# KiCad board processed.kicad_pcb (continued)
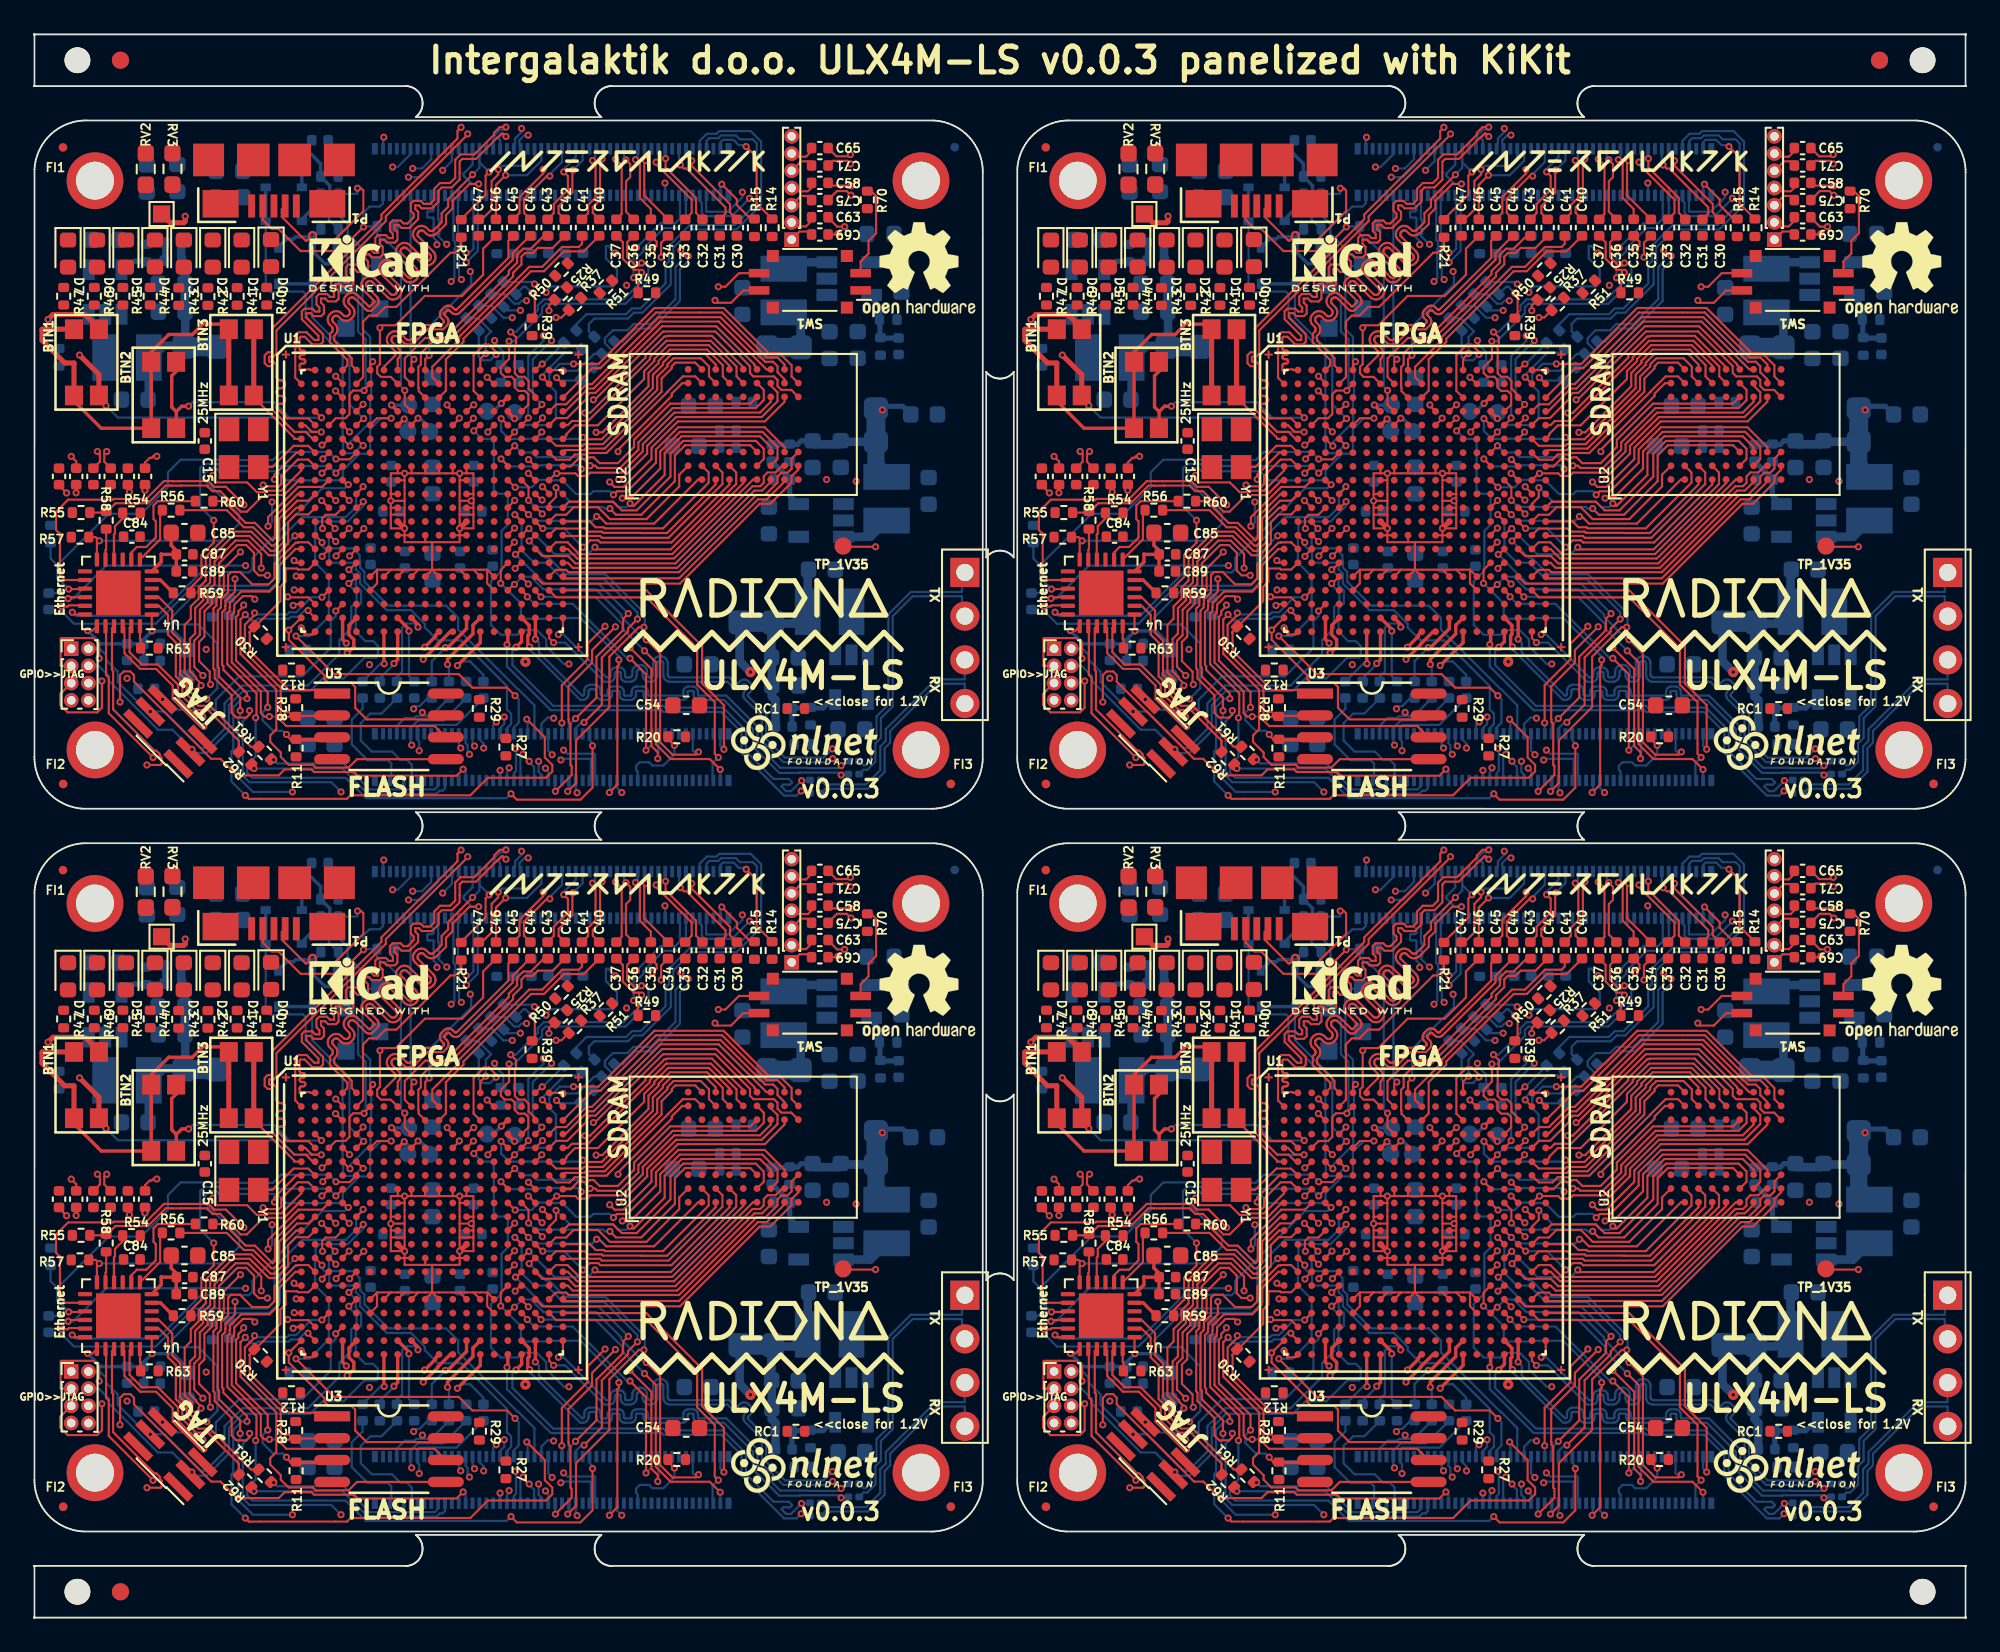
[diagram p0: board, top side]
## Routing (per net, layer and track width the routed paths; a pad name or vN(x,y) marks a point on that pad's centre or on a via; arc(x,y) is an arc through that point) (continued)
Board_0-SDRAM_A11: length 18.5
  Top w0.127: U1.K19 29.91,65.33 v1(29.52,65.72) ; U2.G2 43.18,67.33 43.18,68.02 42.3,68.91 37.5,68.91 36.37,67.77 36.37,66.77 34.76,65.17 34.28,65.17 v1(34.16,65.05)
  In2.Cu w0.127: v1(34.16,65.05) 33.96,64.85 30.39,64.85 v1(29.52,65.72)
Board_0-SDRAM_A12: length 14.4
  Top w0.127: U1.R20 30.99,61.3 31.28,61 37.35,61 41.84,65.49 42.28,65.49 42.79,66 U2.G1
Board_0-SDRAM_BA0: length 15.4
  Top w0.127: U2.G7 42.79,70.65 42.16,70.03 37.19,70.03 35.35,68.19 35.35,67.77 34.12,66.54 32.3,66.54 32.11,66.35 31.59,66.35 31.44,66.49 v1(30.35,66.49) 30.31,66.49 U1.J19
Board_0-SDRAM_BA1: length 21.4
  Top w0.127: v1(27.91,64.92) 27.51,64.52 U1.L16 ; v1(33.95,66.13) 34.09,66.13 35.61,67.64 35.61,68.08 37.29,69.77 42.26,69.77 43.18,70.68 43.18,71.21 42.79,71.6 U2.G8
  In2.Cu w0.127: v1(27.91,64.92) 29.1,66.11 29.1,66.72 29.11,66.72 29.33,66.94 30.97,66.94 30.97,67.03 31.65,67.71 32.38,67.71 v1(33.95,66.13)
Board_0-SDRAM_CKE: length 17.7
  Top w0.127: v1(28.71,64.93) 28.71,65.69 U1.J17 ; U2.F3 41.6,68.13 37.81,68.13 37.22,67.53 37.22,66.04 35.26,64.09 33.8,64.09 v1(33.44,64.45)
  Bottom w0.127: v1(33.44,64.45) 33.14,64.45 33.05,64.54 29.1,64.54 v1(28.71,64.93)
Board_0-SDRAM_CLK: length 15.8
  Top w0.127: U1.L20 31.06,64.85 33.63,64.85 34.13,64.34 35,64.34 36.96,66.31 36.96,67.64 37.7,68.38 41.92,68.38 42.38,67.92 42.38,67.33 U2.F2
Board_0-SDRAM_D0: length 12.5
  Top w0.127: v1(33.92,67.76) 33.92,67.87 37.04,71 37.04,71.13 37.65,71.74 U2.A8 ; U1.J18 28.71,66.49 v1(28.7,66.49)
  In2.Cu w0.127: v1(28.7,66.49) 28.7,66.69 29.4,67.4 30.98,67.4 31.57,67.99 33.68,67.99 v1(33.92,67.76)
Board_0-SDRAM_D1: length 10.9
  Top w0.127: U2.B9 38.4,72.93 37.24,72.93 37.04,72.72 37.04,72.6 36.44,72.01 36.44,71.24 33.14,67.93 32.04,67.93 31.95,67.84 30.86,67.84 U1.G20
Board_0-SDRAM_D2: length 11.2
  Top w0.127: U2.B8 38.4,72.13 37.68,72.13 36.8,71.25 36.8,71.24 33.24,67.68 32.14,67.68 32.05,67.59 31.4,67.59 31.1,67.29 30.32,67.29 U1.G19
Board_0-SDRAM_D3: length 17.1
  Top w0.127: U2.C9 39.59,72.82 38.97,73.43 37.03,73.43 36.53,72.93 36.53,72.81 35.94,72.22 35.94,71.45 32.96,68.48 31.98,68.48 v1(31.87,68.58) ; U1.E16 27.13,69.68 v1(27.12,69.68)
  Bottom w0.127: v1(27.12,69.68) 27.12,68.96 27.58,68.5 28.62,68.5 28.63,68.5 28.9,68.5 28.91,68.5 31.79,68.5 v1(31.87,68.58)
Board_0-SDRAM_D4: length 13.4
  Top w0.127: U1.F19 30.31,68.1 31.84,68.1 31.93,68.19 33.03,68.19 36.19,71.34 36.19,72.11 36.78,72.71 36.78,72.82 37.14,73.18 38.72,73.18 39.2,72.7 39.2,72.13 U2.C8
Board_0-SDRAM_D5: length 13
  Top w0.127: U1.F20 30.91,68.7 30.91,68.78 31.42,69.28 32.74,69.28 35.43,71.97 35.43,72.43 36.02,73.02 36.02,73.14 36.82,73.94 39.2,73.94 40.39,72.75 U2.D9
Board_0-SDRAM_D6: length 16.8
  Top w0.127: U1.H18 v1(28.71,67.29) ; U2.D8 40,72.13 40,72.78 39.09,73.69 36.93,73.69 36.27,73.03 36.27,72.92 35.68,72.32 35.68,71.55 33,68.88 v1(32.64,68.88)
  In2.Cu w0.127: v1(32.64,68.88) 32.43,69.08 31.79,69.08 30.36,67.66 29.07,67.66 v1(28.71,67.29)
Board_0-SDRAM_D7: length 15.6
  Top w0.127: U1.F18 29.48,68.86 v1(29.48,68.9) ; U2.E9 41.19,72.67 39.37,74.48 36.76,74.48 36.73,74.45 36.61,74.45 35.51,73.35 35.51,73.23 34.92,72.64 32.29,70.01 v1(31.99,70.01)
  In2.Cu w0.127: v1(31.99,70.01) 31.89,70.11 30.65,70.11 29.48,68.93 v1(29.48,68.9)
Board_0-SDRAM_D8: length 13.6
  Top w0.127: U1.P19 30.3,62.49 30.98,62.49 31.67,61.8 37.06,61.8 41.19,65.92 U2.E1
Board_0-SDRAM_D9: length 16.3
  Top w0.127: U1.N17 28.7,63.28 v1(28.73,63.28) ; U2.D2 40.78,66.54 40.78,65.87 36.98,62.08 32.7,62.08 v1(32.57,62.2)
  Bottom w0.127: v1(32.57,62.2) 32.16,61.79 30.23,61.79 v1(28.73,63.28)
Board_0-SDRAM_D10: length 13.8
  Top w0.127: U2.D1 40.39,65.85 37.01,62.48 32.89,62.48 32.77,62.6 32.28,62.6 v1(31.88,62.2) ; U1.M18 29.51,63.29 v1(29.54,63.29)
  Bottom w0.127: v1(31.88,62.2) 30.79,63.29 v1(29.54,63.29)
Board_0-SDRAM_D11: length 11.9
  Top w0.127: U2.C2 39.98,66.54 39.98,65.88 36.85,62.75 32.98,62.75 32.87,62.85 30.75,62.85 U1.N20
Board_0-SDRAM_D12: length 11.4
  Top w0.127: U1.N19 30.3,63.29 31.99,63.29 32.17,63.11 32.98,63.11 33.05,63.04 35.27,63.04 35.28,63.03 36.76,63.03 39.59,65.85 U2.C1
Board_0-SDRAM_D13: length 10.9
  Top w0.127: U2.B2 39.18,66.54 39.18,65.95 36.53,63.3 33.15,63.3 33.08,63.36 32.61,63.36 32.28,63.7 U1.M20
Board_0-SDRAM_D14: length 10.4
  Top w0.127: U2.A2 37.47,66.42 37.47,65.74 35.57,63.84 33.44,63.84 32.75,64.53 31.34,64.53 30.9,64.09 30.3,64.09 U1.M19
Board_0-SDRAM_D15: length 12.1
  Top w0.127: v1(32.67,63.99) 32.81,63.99 33.22,63.58 36.01,63.58 38.57,66.14 U2.B1 ; U1.L17 v1(28.71,64.1)
  Bottom w0.127: v1(28.71,64.1) 29.07,63.74 32.42,63.74 v1(32.67,63.99)
Board_0-SDRAM_DQM0: length 13.9
  Top w0.127: U2.E8 40.8,72.13 40.8,72.7 39.3,74.2 36.72,74.2 35.77,73.24 35.77,73.13 32.18,69.54 31.23,69.54 30.99,69.3 U1.E20
Board_0-SDRAM_DQM1: length 13.4
  Top w0.127: U1.P20 30.99,62.1 31.54,61.55 37.17,61.55 41.76,66.14 U2.F1
Board_0-SDRAM_nCAS: length 13.5
  Top w0.127: U1.H20 31.16,66.9 31.58,67.32 32.14,67.32 32.25,67.43 32.5,67.43 32.84,67.09 33.9,67.09 34.84,68.03 34.84,68.44 36.95,70.54 41.6,70.54 U2.F7
Board_0-SDRAM_nCS: length 15.4
  Top w0.127: U1.D20 30.85,70.1 32.18,71.42 32.5,71.42 36.39,75.32 39.76,75.32 42.54,72.54 U2.G9
Board_0-SDRAM_nRAS: length 18.6
  Top w0.127: U2.F8 42.38,71.34 42.38,70.75 41.92,70.29 37.09,70.29 35.1,68.29 35.1,67.87 34.03,66.81 32.72,66.81 32.59,66.94 v1(32.29,66.94) ; U1.G16 v1(27.91,68.09)
  Bottom w0.127: v1(27.91,68.09) 28.3,67.7 28.9,67.7 29.17,67.44 31.79,67.44 v1(32.29,66.94)
Board_0-SDRAM_nWE: length 15.7
  Top w0.127: U1.E19 30.32,69.7 30.96,69.7 32.08,70.83 32.08,70.97 32.28,71.17 32.6,71.17 36.47,75.04 39.62,75.04 41.83,72.83 41.83,72.78 41.99,72.63 U2.F9
Board_0-SRCLK1N: length 1.4
  Top w0.127: C69.2 44.99,80.55 44.47,80.55 J5.1
Board_0-SRCLK1P: length 1.6
  Top w0.127: C63.1 45.16,81.17 44.84,80.85 44.23,80.85 J5.2
Board_0-SRX11N: length 1.5
  Top w0.127: C71.2 44.92,84.63 44.55,84.63 J5.5
Board_0-SRX11P: length 1.5
  Top w0.127: C65.1 45.16,85.22 44.84,84.9 44.18,84.9 J5.6
Board_0-STX11N: length 1.5
  Top w0.127: J5.3 44.54,82.62 44.92,82.62 C75.2
Board_0-STX11P: length 1.6
  Top w0.127: J5.4 44.19,82.89 44.95,82.89 45.16,83.1 C58.1
Board_0-SW1: length 24.2
  Top w0.127: SW1.4 41.2,77.13 40.48,76.41 39.69,76.41 v1(39.55,76.55) ; v1(29.51,64.14) 29.15,64.5 U1.L18
  In2.Cu w0.127: v1(29.51,64.14) 31.53,64.14 32.17,63.5 34.87,63.5 35.62,64.25 35.62,72.84 39.33,76.55 v1(39.55,76.55)
Board_0-SW2: length 24.4
  Top w0.127: SW1.3 40.94,78.13 40.15,77.34 v1(39.74,77.34) ; v1(29.5,64.94) 29.46,64.94 U1.K18
  In2.Cu w0.127: v1(39.74,77.34) 35.37,72.96 35.37,64.41 34.9,63.95 33.29,63.95 32.82,64.42 30.03,64.42 v1(29.5,64.94)
Board_0-US2_ID: length 23.1
  Top w0.127: U1.D9 21.52,70.49 v1(21.52,71.31) ; v1(19.12,80.81) 17.72,79.41 15.47,79.41 14.18,80.71 13.79,80.71 13.27,81.23 P1.4
  Bottom w0.127: v1(21.52,71.32) 21.3,71.54 21.3,79.18 20.38,80.1 20.18,80.1 19.9,80.38 R19.1 19.16,80.85 v1(19.12,80.81) 19.12,81.65 19.47,82 20.07,82 20.26,82.19 J2.1
Board_0-USB_FPGA_D+: length 23.1
  Top w0.127: v1(18.34,68.08) 18.32,68.08 U1.F4 ; U1.A6 19.51,72.84 v1(19.66,72.98)
  Bottom w0.127: 17.16,82.85 17.16,82.45 17.67,81.94 R5.2 17.67,81.51 18.2,80.98 18.2,80.42 D8.1 19.44,78.55 19.07,78.17 19.07,74.87 19.51,74.43 19.51,73.13 v1(19.66,72.98) 19.57,72.9 19.57,70.76 19.51,70.7 19.51,69.82 19.53,69.8 19.53,69.49 18.34,68.29 v1(18.34,68.08)
  Bottom w0.2: R4.2 15.18,85.18 15.93,85.18 16.63,84.49 R2.2 17.16,83.22 17.16,82.85
Board_0-USB_FPGA_D-: length 16.7
  Top w0.127: U1.B6 19.16,71.34 v1(19.16,71.3) 18.52,71.3 18.31,71.09 18.31,69.94 18.07,69.7 17.51,69.7 U1.E3
  Bottom w0.127: R7.2 17.11,81.23 17.11,82.14 16.64,82.62 R1.2 ; R6.2 18.16,79.18 18.16,77.48 D9.1 18.81,76.73 18.81,74.74 19.25,74.3 19.25,71.4 v1(19.16,71.3)
  Bottom w0.2: R6.2 17.65,80.67 R7.2
Board_0-USB_FPGA_PULL_D+: length 20.3
  Top w0.127: U1.F5 19.1,68.11 v1(19.1,68.11)
  Bottom w0.127: D11.1 13.44,77.35 13.77,77.01 14.53,77.01 14.57,77.06 15.61,77.06 15.76,76.91 15.76,75.56 17.91,73.41 17.91,68.31 17.94,68.28 17.94,67.68 17.95,67.67 18.56,67.67 19,68.11 v1(19.1,68.11)
  Bottom w0.2: D11.1 D10.2
Board_0-USB_FPGA_PULL_D-: length 11.6
  Top w0.127: U1.E5 19.09,69.68 v1(19.13,69.68)
  Bottom w0.127: v1(19.13,69.68) 18.31,70.5 18.31,73.39 16.14,75.56 16.14,77.48 D12.2
  Bottom w0.2: D13.1 16.11,77.51 D12.2
Board_0-USB_N: length 10.4
  Top w0.127: P1.2 14.37,81.83 14.37,81.4 15.76,80.01 15.81,80.02 15.85,80.03 15.89,80.06 15.92,80.09 15.94,80.13 15.96,80.17 15.96,80.21 15.96,80.31 15.97,80.36 15.98,80.4 16.01,80.44 16.04,80.47 16.08,80.49 16.12,80.51 16.16,80.51 16.21,80.51 16.25,80.49 16.29,80.47 16.32,80.44 16.34,80.4 16.36,80.36 16.36,80.31 16.36,80.21 16.37,80.17 16.38,80.13 16.41,80.09 16.44,80.06 16.48,80.03 16.52,80.02 16.56,80.01 17.4,80.01 19.11,81.73 19.11,82.93 18.98,83.06 v1(18.77,83.06)
  Bottom w0.127: v1(18.77,83.06) 18.77,82.78 18.73,82.74 R1.1
Board_1-+1V1: length 125
  Top w0.127: 77.02,60.9 77.82,60.9 ; 77.02,60.9 U1#2.T6 ; 77.02,60.9 77.02,60.1 U1#2.U6 ; 77.82,60.9 U1#2.T7 ; 77.82,60.9 78.62,60.9 ; 78.62,64.1 v1(78.62,63.3) ; 78.62,64.1 77.82,64.1 ; 78.62,64.1 78.62,64.9 ; U1#2.T9 79.42,60.9 ; 79.42,60.9 80.22,60.9 ; 79.42,60.9 78.62,60.9 ; 82.62,60.9 83.42,60.9 ; 82.62,60.9 U1#2.T14 ; 82.62,60.9 81.82,60.9 ; 78.62,64.9 78.62,66.1 ; 78.62,64.9 v1(77.82,64.9) ; 78.22,66.5 77.82,66.5 77.82,65.3 ; 78.22,66.5 v1(78.62,66.5) ; 78.22,66.5 U1#2.H8 ; v1(82.49,64.9) 82.62,65.02 82.62,65.3 ; v1(82.49,64.9) 82.62,64.77 82.62,64.5 ; v1(82.49,64.9) 81.82,64.9 ; 77.82,64.5 77.82,64.1 ; 77.82,64.5 U1#2.L8 ; 77.82,64.5 v1(77.82,64.9) ; 77.82,64.1 77.82,63.3 v1(78.62,63.3) ; 81.82,64.9 81.82,64.1 ; 81.82,64.9 81.82,66.1 ; 79.82,66.5 79.02,66.5 ; 79.82,66.5 80.62,66.5 ; 79.82,66.5 U1#2.H10 ; U1#2.H11 80.62,66.5 ; 80.62,66.5 81.42,66.5 ; 81.42,66.5 v1(81.82,66.5) ; 81.42,66.5 U1#2.H12 ; 82.62,64.1 81.82,64.1 ; 82.62,64.1 82.62,63.3 v1(81.82,63.3) ; 82.62,64.1 82.62,64.5 ; 81.82,64.1 v1(81.82,63.3) ; v1(78.62,66.5) 78.62,66.1 ; v1(78.62,66.5) 79.02,66.5 ; 77.82,65.3 U1#2.K8 ; 77.82,65.3 v1(77.82,64.9) ; U1#2.N9 78.62,62.9 ; 78.62,62.9 78.62,62.5 79.82,62.5 ; 78.62,62.9 v1(78.62,63.3) ; 78.62,62.9 U1#2.N8 ; U1#2.H13 82.22,66.5 ; 82.22,66.5 82.62,66.5 82.62,65.3 ; 82.22,66.5 v1(81.82,66.5) ; v1(81.82,66.5) 81.82,66.1 ; v1(81.82,63.3) 81.82,62.9 ; 80.22,62.5 80.22,60.9 ; 80.22,62.5 81.82,62.5 81.82,62.9 ; 80.22,62.5 79.82,62.5 ; 80.22,60.9 U1#2.T10 ; 80.22,60.9 81.82,60.9 ; 80.22,60.9 U1#2.T11 ; U1#2.K13 82.62,65.3 ; 78.62,60.9 U1#2.T8 ; 81.82,66.1 U1#2.J13 ; U1#2.H9 79.02,66.5 ; 83.42,60.9 83.42,60.1 U1#2.U15 ; 83.42,60.9 U1#2.T15 ; 81.82,62.9 U1#2.N13 ; 81.82,62.9 U1#2.N12 ; 78.62,66.1 U1#2.J8 ; 82.62,64.5 U1#2.L13 ; 79.82,62.5 U1#2.N10 ; 81.82,60.9 U1#2.T13
  Top w0.3: 1.1V_1#4.1 65.01,81.05 65.79,81.05 65.87,81.14 v1(65.87,81.43) ; U1#2.M8 v1(78.62,63.3) ; U1#2.M13 v1(81.82,63.3)
  In2.Cu w0.3: v1(76.58,55.38) 76.25,55.04 68.31,55.04 v1(67.09,56.27)
  In3.Cu w0.3: v2(85.64,55.55) 84.73,54.64 77.32,54.64 v1(76.58,55.38) 78.38,57.18 78.38,57.55 79.61,58.78 79.65,58.78 79.91,59.03 79.91,62.01 v1(78.62,63.3) ; v1(67.09,56.27) 67.04,56.31 67.04,64.06 66.56,64.55 66.56,71.53 66.21,71.88 66.21,81.09 v1(65.87,81.43)
  In3.Cu w0.5: v2(98.72,54.95) 98.41,54.64 86.55,54.64 v2(85.64,55.55)
  Bottom w0.5: v2(98.72,54.95) 98.09,55.57 RP1#2.2
Board_1-+1V35: length 19.8
  Top w0.127: v1(105.99,62.23) 104.14,62.23 TP_1V35#2.1
  In3.Cu w0.3: v1(105.99,62.23) 103.77,64.45 103.77,65.51 v1(103.14,66.14) 104.76,66.14 v1(104.86,66.03) 105.29,66.46 105.29,67.38 104.79,67.88 105.58,68.67 105.58,71.76 105.64,71.69 106.26,71.69 106.26,70.3 v1(106.38,70.18)
  Bottom w0.3: RP4#2.2 106.1,70.18 v1(106.38,70.18) 106.59,70.39 107.56,70.39 C98#2.1
Board_1-+3.3VA: length 13.5
  Top w0.127: v1(60.2,57.36) 60.49,57.36 U4#2.19 ; U4#2.1 63.93,57.36 v1(63.95,57.34)
  In3.Cu w0.2: v1(60.2,57.36) 60.22,57.34 v1(63.95,57.34)
  Bottom w0.2: C88#2.1 63.47,55.61 C90#2.1 ; v1(60.2,57.36) 60.97,56.59 C86#2.1 C90#2.1 ; C90#2.1 63.47,56.86 v1(63.95,57.34) 65.17,57.34 65.95,56.56 FB1#2.2
Board_1-/ethernet/ACTLED: length 12.2
  Top w0.127: U4#2.3 64.34,59.3 65.12,58.52 65.12,57.24 65.58,56.78 65.58,54.81 65.96,54.43 65.96,53.65 66.63,52.98 67.31,52.98 69.69,50.61 R61#2.2
Board_1-/ethernet/LINKLED: length 11.2
  Top w0.127: U4#2.2 64.34,58.8 64.87,58.27 64.87,57.13 65.33,56.67 65.33,54.7 65.7,54.32 65.7,53.55 66.52,52.73 67.21,52.73 68.99,50.95 R62#2.2
Board_1-/ethernet/RBIAS: length 1.3
  Top w0.127: R63#2.1 63.28,56.85 63.24,56.89 U4#2.24
Board_1-/ethernet/XTAL: length 1.6
  Top w0.2: U4#2.5 64.43,60.3 R59#2.1
Board_1-/flash/FLASH_MISO: length 16.6
  Top w0.127: U3#2.2 74.39,52.4 72.29,52.4 ; U1#2.V2 73.03,59.29 71.86,59.29 v1(71.83,59.32) ; v1(69.92,59.18) 69.74,59.36 69.22,59.36 68.72,58.86 68.72,58.6 68.71,58.58 68.71,58.39 68.58,58.25 68.58,55.51 70.27,53.82 70.27,52.56 70.47,52.36 v1(70.77,52.36)
  Top w0.2: 72.29,52.4 71.91,52.4 v1(71.82,52.49)
  In2.Cu w0.127: v1(69.92,59.18) 70.06,59.32 v1(71.83,59.32)
  Bottom w0.127: v1(71.82,52.49) 71.69,52.36 v1(70.77,52.36)
Board_1-/flash/FLASH_MOSI: length 24.3
  Top w0.127: U1#2.W2 73.01,58.51 v1(73.01,58.53) ; U3#2.5 75.85,49.89 75.36,49.39 73.46,49.39 73.29,49.56 71.88,49.56 71.43,50.01 71.43,50.27 70.82,50.88 70.82,51.27 71.17,51.62 71.17,53.92 69.08,56 69.08,58.01 v1(69.36,58.29)
  Bottom w0.127: v1(69.36,58.29) 69.7,57.94 70.01,57.94 70.11,58.04 71.9,58.04 72.02,58.16 72.44,58.16 72.81,58.53 v1(73.01,58.53)
Board_1-/flash/FLASH_nCS: length 13.4
  Top w0.127: U1#2.R2 73.03,60.9 72.43,60.9 72.37,60.96 71.71,60.96 71.71,60.21 71.4,59.9 71.4,59.06 69.59,57.26 69.62,57.22 69.62,56.18 71.9,53.9 74.2,53.9 U3#2.1
Board_1-/flash/FLASH_nHOLD: length 13.6
  Top w0.127: U3#2.7 80.79,52.2 76.42,52.2 75.75,52.87 75.75,54.09 75.52,54.32 74.18,54.32 73.97,54.53 73.97,54.75 71.89,56.82 v1(71.89,57.39) 72.6,58.1 U1#2.W1
Board_1-/flash/FLASH_nWP: length 17.4
  Top w0.127: 72.03,51.01 71.75,51.28 v1(71.75,51.32) ; v1(70.67,52.89) 70.67,53.78 68.83,55.61 68.83,58.15 68.96,58.28 68.96,58.48 69.27,58.78 v1(69.27,58.84) ; 73.42,57.27 73.27,57.13 72.83,57.13
  Top w0.19: v1(72.62,57.51) 72.83,57.31 72.83,57.13 ; U1#2.Y2 73.42,57.27
  Top w0.2: 72.03,51.01 74.27,51.01 U3#2.3
  In2.Cu w0.127: v1(72.62,57.51) 71.84,58.3 70.58,58.3 70.09,58.78 69.33,58.78 v1(69.27,58.84)
  Bottom w0.127: v1(71.75,51.32) 71.54,51.53 70.98,51.53 70.37,52.14 70.37,52.59 v1(70.67,52.89)
Board_1-/flash/FLASH_SCK: length 22.3
  Top w0.127: v1(73.82,59.29) U1#2.U3 ; U3#2.6 80.36,51.81 71.75,51.81 71.42,52.14 71.42,54.02 69.34,56.11 69.34,57.69 69.9,58.26 v1(69.9,58.38)
  Bottom w0.127: v1(69.9,58.38) 69.99,58.3 71.79,58.3 71.91,58.42 72.32,58.42 73.2,59.29 v1(73.82,59.29)
Board_1-/gpio/CAM0_D0_LP: length 11.8
  Top w0.127: U1#2.B5 76.21,72.09 76.21,75.32 76.56,75.67 77.01,75.67 77.51,76.17 78.14,76.17 81.29,79.32 81.54,79.32 81.91,79.69 R21#2.2
Board_1-/power/FB1: length 3.8
  Bottom w0.3: U5#2.5 103.43,53.35 102.94,52.86 101.16,52.86 101.13,52.83 101.13,51.79 C2#2.2
Board_1-/power/FB2: length 3.8
  Bottom w0.3: C10#2.2 64.68,79.89 64.68,78.85 64.65,78.82 62.87,78.82 62.39,78.33 U6#2.5
Board_1-/power/FB3: length 3.8
  Bottom w0.3: C6#2.2 107.32,74.35 106.28,74.35 106.25,74.38 106.25,76.16 105.76,76.65 U7#2.5
Board_1-/power/FB4: length 3.1
  Bottom w0.3: C77#2.2 101,66.16 101,65.23 U8#2.5
Board_1-/power/L3: length 2.7
  Bottom w0.5: L3#2.1 101.03,78.76 U7#2.3
Board_1-/power/L4: length 2.9
  Bottom w0.5: U8#2.3 105.69,62.81 L4#2.1
Board_1-/serdes/1N: length 15.8
  Bottom w0.127: C91#2.1 105.29,49.52 105.41,49.52 105.72,49.84 105.72,50.91 106.04,51.23 106.04,52.37 106.73,53.06 106.73,58.3 108.04,59.6 111.01,59.6 111.01,60.57 J4#2.1
Board_1-/serdes/1P: length 15.8
  Bottom w0.127: C92#2.1 105.29,49.27 105.51,49.27 105.98,49.73 105.98,50.8 106.3,51.12 106.3,52.26 106.99,52.95 106.99,58.19 108.14,59.35 111.01,59.35 111.01,58.37 J4#2.2
Board_1-/serdes/2N: length 13.3
  Bottom w0.127: J4#2.3 111.17,55.65 111.17,54.52 109.48,54.52 106.58,51.63 106.58,50.95 106.26,50.63 106.26,49.25 105.43,48.42 103.06,48.42 C93#2.1
Board_1-/serdes/2P: length 13.4
  Bottom w0.127: J4#2.4 111.17,53.13 111.17,54.27 109.58,54.27 106.84,51.52 106.84,50.84 106.52,50.52 106.52,49.14 105.54,48.16 103.06,48.16 C94#2.1
Board_1-/serdes/CLK_0_N: length 30.1
  Top w0.127: C66#2.1 58.54,65.79 v1(58.98,65.35)
  Top w0.2: v1(79.7,55.69) 80.56,56.54 80.56,56.57 81.28,57.3 U1#2.Y12
  In2.Cu w0.127: v1(79.7,55.69) 78.42,54.41 67.87,54.41 59.27,63.01 59.27,65.06 v1(58.98,65.35)
Board_1-/serdes/CLK_0_P: length 30.1
  Top w0.127: C59#2.2 59.54,65.37 v1(59.53,65.37)
  Top w0.2: U1#2.Y11 80.42,57.1 80.42,57.02 v1(79.78,56.39)
  In2.Cu w0.127: v1(59.53,65.37) 59.53,63.1 67.97,54.66 78.04,54.66 78.94,55.56 78.94,55.77 78.46,56.25 78.46,56.46 78.67,56.46 79.15,55.98 79.36,55.98 79.76,56.39 v1(79.78,56.39)
Board_1-/serdes/CLK_1_N: length 69.4
  Top w0.127: C69#2.1 103.75,80.38 v1(103.8,80.43) ; v1(87.56,57.13) 87.82,57.39 U1#2.W20
  In2.Cu w0.127: v1(103.8,80.43) 103.99,80.43 104.28,80.14 104.3,80.1 104.32,80.06 104.33,80.02 104.33,79.98 104.32,79.93 104.3,79.89 104.28,79.86 104.08,79.67 104.06,79.63 104.04,79.59 104.03,79.55 104.03,79.5 104.04,79.46 104.06,79.42 104.08,79.38 104.12,79.36 104.16,79.34 104.2,79.33 104.25,79.33 104.29,79.34 104.33,79.36 104.37,79.38 104.56,79.57 104.59,79.6 104.63,79.62 104.68,79.63 104.72,79.63 104.77,79.62 104.81,79.6 104.84,79.57 104.87,79.54 104.89,79.5 104.9,79.46 104.9,79.41 104.89,79.37 104.87,79.33 104.84,79.29 104.65,79.1 104.62,79.07 104.6,79.03 104.59,78.98 104.59,78.94 104.6,78.89 104.62,78.85 104.65,78.82 104.68,78.79 104.73,78.77 104.77,78.76 104.81,78.76 104.86,78.77 104.9,78.79 104.93,78.82 105.12,79.01 105.16,79.04 105.2,79.06 105.24,79.07 105.29,79.07 105.33,79.06 105.37,79.04 105.41,79.01 105.74,78.68 106.62,78.68 106.98,78.32 107,78.29 107.01,78.26 107.02,78.23 107.02,78.19 107.01,78.16 107,78.13 106.98,78.11 106.87,78 106.82,77.93 106.78,77.86 106.76,77.77 106.76,77.69 106.78,77.61 106.82,77.53 106.87,77.46 106.94,77.4 107.01,77.34 107.08,77.31 107.17,77.29 107.25,77.29 107.33,77.31 107.41,77.34 107.48,77.4 108.06,77.98 108.09,78 108.12,78.02 108.15,78.02 108.18,78.02 108.22,78.02 108.25,78 108.27,77.98 108.31,77.95 108.33,77.92 108.34,77.89 108.35,77.86 108.35,77.82 108.34,77.79 108.33,77.76 108.31,77.74 107.72,77.15 107.67,77.08 107.63,77.01 107.61,76.93 107.61,76.84 107.63,76.76 107.67,76.68 107.72,76.62 107.79,76.55 107.86,76.49 107.93,76.46 108.02,76.44 108.1,76.44 108.18,76.46 108.26,76.49 108.33,76.55 108.91,77.13 108.94,77.15 108.97,77.17 109,77.17 109.03,77.17 109.06,77.17 109.09,77.15 109.12,77.13 109.16,77.1 109.18,77.07 109.19,77.04 109.2,77.01 109.2,76.98 109.19,76.94 109.18,76.91 109.16,76.89 108.57,76.3 108.52,76.24 108.48,76.16 108.46,76.08 108.46,75.99 108.48,75.91 108.52,75.83 108.57,75.77 108.64,75.7 108.71,75.65 108.78,75.61 108.86,75.59 108.95,75.59 109.03,75.61 109.11,75.65 109.17,75.7 109.28,75.8 109.31,75.83 109.34,75.84 109.37,75.85 109.4,75.85 109.43,75.84 109.46,75.83 109.49,75.8 110,75.29 110,67.05 109.04,66.09 109.04,64.11 106.18,61.24 106.18,53.26 104.57,51.65 104.57,51.58 v1(103.48,50.49)
  Bottom w0.127: v1(103.48,50.49) 102.97,49.97 100.72,49.97 99.64,51.06 99.64,52.49 98.6,53.52 98.59,53.54 98.57,53.57 98.57,53.6 98.57,53.62 98.57,53.65 98.59,53.67 98.6,53.7 98.71,53.8 98.76,53.86 98.79,53.94 98.81,54.01 98.81,54.09 98.79,54.17 98.76,54.24 98.71,54.3 98.61,54.41 98.54,54.45 98.47,54.49 98.4,54.51 98.32,54.51 98.24,54.49 98.17,54.45 98.1,54.41 98,54.3 97.98,54.28 97.95,54.27 97.93,54.26 97.9,54.26 97.87,54.27 97.85,54.28 97.83,54.3 97.49,54.63 94.08,54.63 94.04,54.64 94.01,54.65 93.98,54.67 93.95,54.7 93.93,54.73 93.91,54.77 93.91,54.81 93.91,55.46 93.9,55.55 93.87,55.63 93.82,55.71 93.76,55.77 93.68,55.82 93.6,55.85 93.51,55.86 93.46,55.86 93.37,55.85 93.28,55.82 93.21,55.77 93.14,55.71 93.1,55.63 93.07,55.55 93.06,55.46 93.06,54.81 93.05,54.77 93.04,54.73 93.02,54.7 92.99,54.67 92.96,54.65 92.92,54.64 92.88,54.63 92.84,54.64 92.81,54.65 92.78,54.67 92.75,54.7 92.73,54.73 92.71,54.77 92.71,54.81 92.71,54.96 92.7,55.05 92.67,55.13 92.62,55.21 92.56,55.27 92.48,55.32 92.4,55.35 92.31,55.36 92.26,55.36 92.17,55.35 92.08,55.32 92.01,55.27 91.94,55.21 91.9,55.13 91.87,55.05 91.86,54.96 91.86,54.81 91.85,54.77 91.84,54.73 91.82,54.7 91.79,54.67 91.76,54.65 91.72,54.64 91.68,54.63 91.53,54.63 91.51,54.63 91.49,54.64 91.47,54.65 91.46,54.67 91.44,54.69 91.44,54.71 91.44,54.73 91.44,54.88 91.43,54.95 91.4,55.02 91.36,55.08 91.31,55.14 91.25,55.18 91.18,55.2 91.1,55.21 90.91,55.21 90.84,55.2 90.77,55.18 90.71,55.14 90.65,55.08 90.61,55.02 90.59,54.95 90.58,54.88 90.58,54.73 90.58,54.71 90.57,54.69 90.56,54.67 90.54,54.65 90.53,54.64 90.5,54.63 90.48,54.63 90.35,54.63 87.86,57.13 v1(87.56,57.13)
Board_1-/serdes/CLK_1_P: length 69.4
  Top w0.127: v1(87.28,56.66) 87.02,56.92 U1#2.Y19 ; v1(104.19,80.83) 103.76,80.83 103.23,81.36 C63#2.2
  In2.Cu w0.127: v1(104.19,80.83) 104.19,80.58 105.84,78.94 106.46,78.94 106.55,79.03 106.65,79.03 106.78,78.9 106.78,78.88 107.18,78.48 107.23,78.41 107.27,78.34 107.29,78.25 107.29,78.17 107.27,78.09 107.23,78.01 107.18,77.94 107.07,77.84 107.05,77.81 107.04,77.78 107.03,77.75 107.03,77.72 107.04,77.68 107.05,77.65 107.07,77.63 107.11,77.59 107.13,77.57 107.16,77.56 107.19,77.55 107.23,77.55 107.26,77.56 107.29,77.57 107.31,77.59 107.9,78.18 107.97,78.23 108.04,78.27 108.13,78.29 108.21,78.29 108.29,78.27 108.37,78.23 108.44,78.18 108.5,78.11 108.56,78.04 108.59,77.97 108.61,77.88 108.61,77.8 108.59,77.72 108.56,77.64 108.5,77.57 107.92,76.99 107.9,76.96 107.88,76.93 107.88,76.9 107.88,76.87 107.88,76.83 107.9,76.8 107.92,76.78 107.95,76.74 107.98,76.72 108.01,76.71 108.04,76.7 108.07,76.7 108.11,76.71 108.14,76.72 108.16,76.74 108.75,77.33 108.81,77.38 108.89,77.42 108.97,77.44 109.06,77.44 109.14,77.42 109.22,77.38 109.28,77.33 109.35,77.26 109.41,77.19 109.44,77.12 109.46,77.03 109.46,76.95 109.44,76.87 109.41,76.79 109.35,76.72 108.77,76.14 108.75,76.11 108.73,76.08 108.72,76.05 108.72,76.02 108.73,75.99 108.75,75.96 108.77,75.93 108.8,75.89 108.83,75.87 108.86,75.86 108.89,75.85 108.92,75.85 108.96,75.86 108.99,75.87 109.01,75.89 109.12,76 109.18,76.05 109.26,76.09 109.34,76.11 109.43,76.11 109.51,76.09 109.59,76.05 109.65,76 110.26,75.4 110.26,66.94 109.3,65.98 109.3,63.99 106.45,61.14 106.45,53.16 104.82,51.54 104.82,50.15 104.59,49.92 v1(103.5,49.92)
  Bottom w0.127: v1(87.28,56.66) 87.95,56.66 90.23,54.38 90.5,54.38 90.58,54.39 90.65,54.41 90.71,54.45 90.76,54.5 90.8,54.57 90.83,54.64 90.84,54.71 90.84,54.86 90.84,54.88 90.84,54.9 90.86,54.92 90.87,54.93 90.89,54.95 90.91,54.95 90.93,54.96 91.08,54.96 91.1,54.95 91.13,54.95 91.14,54.93 91.16,54.92 91.17,54.9 91.18,54.88 91.18,54.86 91.18,54.71 91.19,54.64 91.21,54.57 91.25,54.5 91.31,54.45 91.37,54.41 91.44,54.39 91.51,54.38 91.71,54.38 91.8,54.39 91.88,54.42 91.96,54.47 92.02,54.53 92.07,54.61 92.1,54.69 92.11,54.78 92.11,54.93 92.11,54.97 92.13,55.01 92.15,55.04 92.18,55.07 92.21,55.09 92.24,55.1 92.28,55.11 92.32,55.1 92.36,55.09 92.39,55.07 92.42,55.04 92.44,55.01 92.45,54.97 92.46,54.93 92.46,54.78 92.47,54.69 92.5,54.61 92.54,54.53 92.61,54.47 92.68,54.42 92.77,54.39 92.86,54.38 92.91,54.38 93,54.39 93.08,54.42 93.16,54.47 93.22,54.53 93.27,54.61 93.3,54.69 93.31,54.78 93.31,55.43 93.31,55.47 93.33,55.51 93.35,55.54 93.38,55.57 93.41,55.59 93.44,55.6 93.48,55.61 93.52,55.6 93.56,55.59 93.59,55.57 93.62,55.54 93.64,55.51 93.65,55.47 93.66,55.43 93.66,54.78 93.67,54.69 93.7,54.61 93.74,54.53 93.81,54.47 93.88,54.42 93.97,54.39 94.06,54.38 97.39,54.38 97.66,54.1 97.72,54.06 97.79,54.02 97.87,54 97.95,54 98.03,54.02 98.1,54.06 98.16,54.1 98.27,54.21 98.29,54.23 98.31,54.24 98.34,54.25 98.37,54.25 98.4,54.24 98.42,54.23 98.44,54.21 98.51,54.14 98.53,54.12 98.54,54.09 98.55,54.07 98.55,54.04 98.54,54.01 98.53,53.99 98.51,53.97 98.41,53.86 98.36,53.8 98.32,53.73 98.31,53.65 98.31,53.57 98.32,53.49 98.36,53.42 98.41,53.36 99.38,52.38 99.38,50.95 100.62,49.71 103.12,49.71 103.33,49.92 v1(103.5,49.92)